# Altium PCB transceiver_board_V2.PcbDoc (part 1 of 2) (continued)
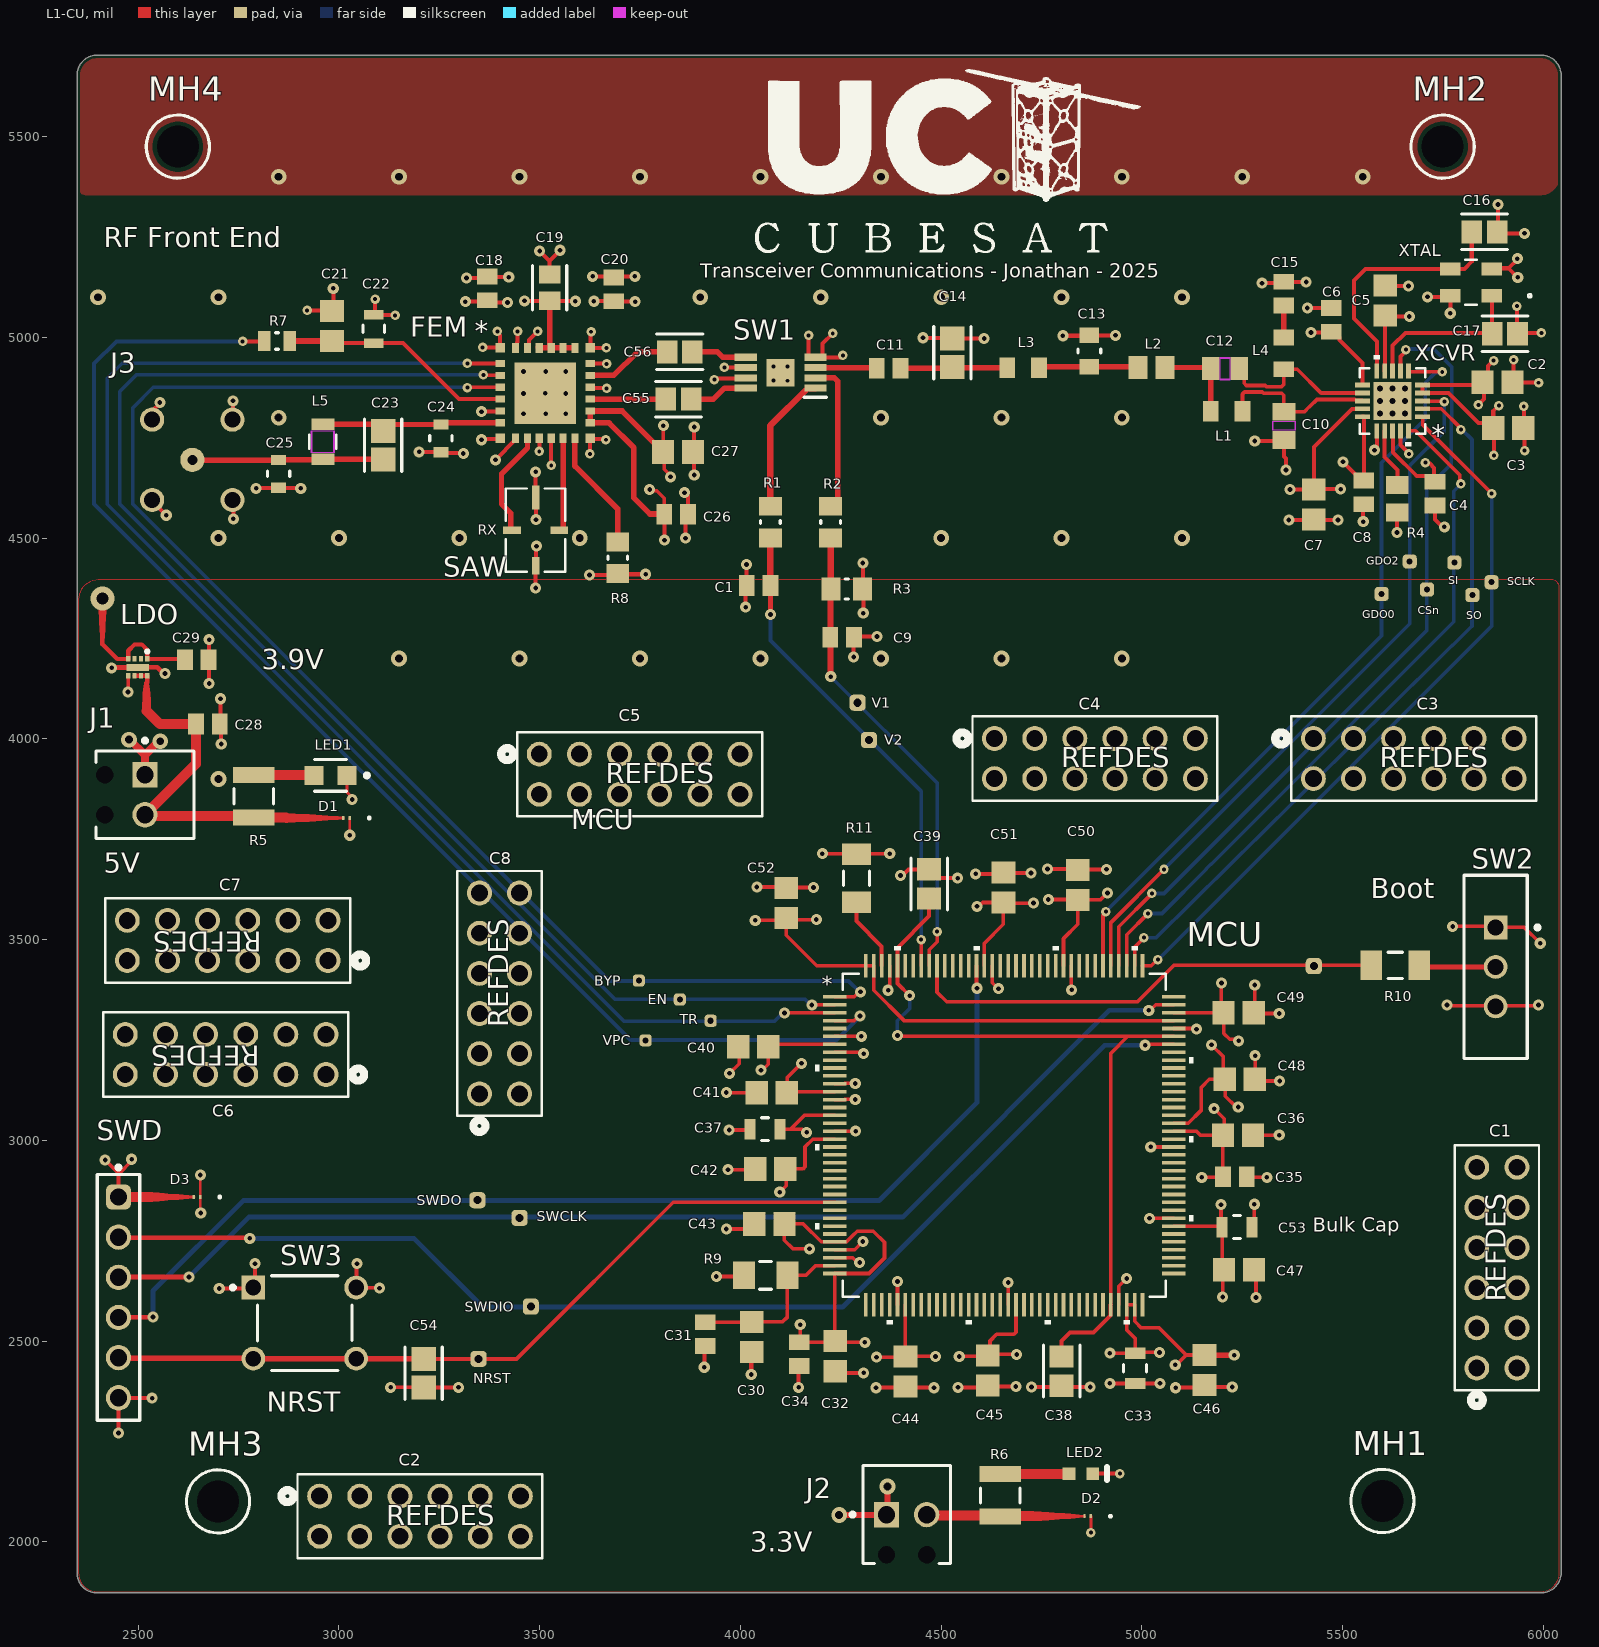
[diagram p0: L1-CU view]
## Components (designator, comment, footprint, x,y, rotation, side; value= is the part's Value field where it differs from the comment)
C1 "10-89-7120" CONN12_0010897120_MOL 5834,2433 r90 top
C1 "GRM2165C1H101JA01D" CAPC2013X70X45LL10T25 4045.16,4382 r180 top value=100pF
C2 "10-89-7120" CONN12_0010897120_MOL 2952,2114 r0 top
C2 "GRM21BR72A104KAC4L" CAPC2013X135X45ML10T25 5886,4888 r180 top value=100nF
C3 "10-89-7120" CONN12_0010897120_MOL 5427,4001 r0 top
C3 "GRM21BR72A104KAC4L" CAPC2013X135X45ML10T25 5912.4,4774 r180 top value=100nF
C4 "10-89-7120" CONN12_0010897120_MOL 4633,4001 r0 top
C4 "GRM2165C1H221JA01D" CAPC2013X70X45LL10T25 5730,4611 r90 top value=220pF
C5 "10-89-7120" CONN12_0010897120_MOL 3499,3962 r0 top
C5 "GRM21BR72A103KA01K" CAPC2013X135X45ML10T25 5606,5092 r270 top value=10nF
C6 "10-89-7120" CONN12_0010897120_MOL 2968,3164 r180 top
C6 "GRM2165C1H221JA01D" CAPC2013X70X45LL10T25 5472,5043.53 r270 top value=220pF
C7 "10-89-7120" CONN12_0010897120_MOL 2973,3448 r180 top
C7 "GRM21BR72A103KA01K" CAPC2013X135X45ML10T25 5428,4584 r90 top value=10nF
C8 "10-89-7120" CONN12_0010897120_MOL 3350,3116 r90 top
C8 "GRM2165C1H221JA01D" CAPC2013X70X45LL10T25 5553,4614 r90 top value=220pF
C9 "GRM2165C1H101JA01D" CAPC2013X70X45LL10T25 4253.16,4253.37 r180 top value=100pF
C10 "CC0805CRNPO9BN3R9" CAP_CC0805_YAG 5354,4779.69 r270 top value=3.9pF
C11 "GRM2165C1H221JA01D" CAPC2013X70X45LL10T25 4369,4923.22 r180 top value=220pF
C12 "CC0805CRNPO9BN3R9" CAP_CC0805_YAG 5207,4922 r180 top value=3.9pF
C13 "KGM21BCG2A8R2DT" FP-0805-L_2_01_0_2-W_1_25-MFG 4869,4966 r90 top value=8.2pF
C14 "C0805C569C5GACTU" FP-C0805C-DN-IPC_A 4528,4961.69 r90 top value=5.6pF
C15 "GRM2165C1H221JA01D" CAPC2013X70X45LL10T25 5353,5109 r270 top value=220pF
C16 "GRM21A5C2E270JW01D" FP-GRM21A-0_2-IPC_B 5853,5263 r0 top value=27pF
C17 "GRM21A5C2E270JW01D" FP-GRM21A-0_2-IPC_B 5904,5009 r0 top value=27pF
C18 "GRM2165C1H221JA01D" CAPC2013X70X45LL10T25 3370,5122 r270 top value=220pF
C19 "GRM2165C2A102JA01D" FP-GRM216-0_1-IPC_B 3525,5124 r270 top value=1nF
C20 "GRM21BR71C105KA01L" CAPC2013X135X45LL10T25 3685,5119.47 r270 top value=1µF
C21 "GRM21BR72A104KAC4L" CAPC2013X135X45ML10T25 2983,5028.6 r270 top value=100nF
C22 "GRM2195C1H472JA01D" FP-GRM219-0_1-MFG 3087,5021.2 r90 top value=4.7nF
C23 "C0805C309C5GACTU" FP-C0805C-DN-IPC_A 3110,4731 r90 top value=3pF
C24 "GQM2195C2E6R8BB12D" FP-GQM219-0_15-MFG 3254,4748.55 r270 top value=6.8pF
C25 "GQM2195C2E6R8BB12D" FP-GQM219-0_15-MFG 2850,4660 r270 top value=6.8pF
C26 "GRM2165C1H221JA01D" CAPC2013X70X45LL10T25 3840,4560 r180 top value=220pF
C27 "GRM21BR72A103KA01K" CAPC2013X135X45ML10T25 3845,4714.69 r180 top value=10nF
C28 "GRM21BR71C105KA01L" CAPC2013X135X45LL10T25 2673.53,4037.08 r180 top value=1µF
C29 "GRM21BR71C105KA01L" CAPC2013X135X45LL10T25 2646,4197 r180 top value=1µF
C30 "GRM21BR72A104KAC4L" CAPC2013X135X45ML10T25 4028,2510.6 r90 top value=100nF
C31 "GRM21BR71C105KA01L" CAPC2013X135X45LL10T25 3913,2517.47 r90 top value=1µF
C32 "GRM21BR72A104KAC4L" CAPC2013X135X45ML10T25 4236,2462.6 r90 top value=100nF
C33 "GRM21BZ7YA475KE15K" FP-GRM21B-0_2-e0_2_0_7-MFG 4983,2432.4 r270 top value=4.7µF
C34 "GRM21BR71C105KA01L" CAPC2013X135X45LL10T25 4147,2467.53 r90 top value=1µF
C35 "GRM21BR71C105KA01L" CAPC2013X135X45LL10T25 5231.47,2909 r180 top value=1µF
C36 "GRM21BR72A104KAC4L" CAPC2013X135X45ML10T25 5239,3013 r180 top value=100nF
C37 "GRM21BZ7YA475KE15K" FP-GRM21B-0_2-e0_2_0_7-MFG 4061,3028 r180 top value=4.7µF
C38 "GRM21BR71E225KE11L" FP-GRM21B-0_15-IPC_A 4800,2425.53 r270 top value=2.2µF
C39 "GRM21BR71E225KE11L" FP-GRM21B-0_15-IPC_A 4470,3638.68 r90 top value=2.2µF
C40 "GRM21BR72A104KAC4L" CAPC2013X135X45ML10T25 4032,3233 r0 top value=100nF
C41 "GRM21BR72A104KAC4L" CAPC2013X135X45ML10T25 4078,3119 r0 top value=100nF
C42 "GRM21BR72A104KAC4L" CAPC2013X135X45ML10T25 4074.4,2929 r0 top value=100nF
C43 "GRM21BR72A104KAC4L" CAPC2013X135X45ML10T25 4072,2792 r0 top value=100nF
C44 "GRM21BR72A104KAC4L" CAPC2013X135X45ML10T25 4411,2424.6 r90 top value=100nF
C45 "GRM21BR72A104KAC4L" CAPC2013X135X45ML10T25 4616,2427.32 r90 top value=100nF
C46 "GRM21BR72A104KAC4L" CAPC2013X135X45ML10T25 5156,2428 r90 top value=100nF
C47 "GRM21BR72A104KAC4L" CAPC2013X135X45ML10T25 5241.4,2678 r180 top value=100nF
C48 "GRM21BR72A104KAC4L" CAPC2013X135X45ML10T25 5243.6,3152 r180 top value=100nF
C49 "GRM21BR72A104KAC4L" CAPC2013X135X45ML10T25 5241,3318 r180 top value=100nF
C50 "GRM21BR72A104KAC4L" CAPC2013X135X45ML10T25 4840,3636.4 r270 top value=100nF
C51 "GRM21BR72A104KAC4L" CAPC2013X135X45ML10T25 4655,3630 r270 top value=100nF
C52 "GRM21BR72A104KAC4L" CAPC2013X135X45ML10T25 4114,3591 r270 top value=100nF
C53 "GRM21BZ7YA475KE15K" FP-GRM21B-0_2-e0_2_0_7-MFG 5237,2784 r0 top value=4.7µF
C54 "C0805C104K5RACTU" FP-C0805C-DN-IPC_A 3211,2420 r90 top value=100nF
C55 "GRM21A5C2E680JW01D" FP-GRM21A-0_2-IPC_B 3846,4846 r180 top value=68pF
C56 "GRM21A5C2E680JW01D" FP-GRM21A-0_2-IPC_B 3849,4964 r180 top value=68pF
D1 "PESD3V3Z1BCSFYL" SOD962-2_DSN0603-2_NEX 3019,3803 r180 top
D2 "PESD3V3Z1BCSFYL" SOD962-2_DSN0603-2_NEX 4865,2064 r180 top
D3 "PESD3V3Z1BCSFYL" SOD962-2_DSN0603-2_NEX 2647,2859 r180 top
FEM "SKY65366-21" SKY65366-21-Footprint-1 3514,4856 r0 top locked
J1 "1725656" PHOE-1725656-2 2517,3861 r270 top
J2 "1725656" PHOE-1725656-2 4414,2068 r0 top
J3 "CONMCX" CONMCX002-Footprint-1 2635,4695 r270 top locked
L1 "7447880127" WE-MK_0805_L2W1.25H0.85 5211,4816 r180 top value=27nH
L2 "AIMC-0805-22NJ-T" INDC2012X105N 5024,4925 r180 top value=22nH
L3 "7447880127" WE-MK_0805_L2W1.25H0.85 4704,4924.22 r180 top value=27nH
L4 "7447880127" WE-MK_0805_L2W1.25H0.85 5353,4960 r270 top value=27nH
L5 "AIMC-0805-12NJ-T" AIMC-0805_ABR 2960,4740 r90 top value=12nH
LDO "NCP186AMX390TAG" NCP186AMX330TAG 2499.13,4188.17 r180 top locked
LED1 "LTST-C170KFKT" FP-LTST-C170KFKT-MFG 2979,3909 r180 top
LED2 "LTST-C190KRKT" LTST-C191KRKT_V 4848,2170 r0 top
MCU "STM32H745ZIT3" LQFP-144 4657,3013 r0 top locked
MH1 "MPMS0020012PH" BF-MPMS0020012PH 5599,2102 r0 top
MH2 "MPMS0020012PH" BF-MPMS0020012PH 5749,5475 r0 top
MH3 "MPMS0020012PH" BF-MPMS0020012PH 2699,2101 r0 top
MH4 "MPMS0020012PH" BF-MPMS0020012PH 2599,5475 r0 top
R1 "Resistor 0R +/- 5% 0805 125 mW" RESC2013X60X35ML10T20 4074.68,4540 r90 top value=0
R2 "Resistor 0R +/- 5% 0805 125 mW" RESC2013X60X35ML10T20 4224.69,4540 r90 top value=0
R3 "Resistor 0R +/- 5% 0805 125 mW" RESC2013X60X35ML10T20 4264.69,4373.37 r180 top value=0
R4 "ERJ-6GEYJ563V" RESC2013X70X40NL20T20 5636,4598 r270 top value=56k
R5 "CRCW1210150RJNEA" FP-CRCW1210-e3-IPC_C 2788,3857.18 r270 top value=150
R6 "CRCW1210150RJNEA" FP-CRCW1210-e3-IPC_C 4647,2116 r270 top value=150
R7 "RC0805FR-0710KL" RESC2013X60X35LL10T20 2846,4991 r0 top value=10k
R8 "Resistor 0R +/- 5% 0805 125 mW" RESC2013X60X35ML10T20 3694.61,4451.06 r90 top value=0
R9 "RMCF1206JT47R0" FP-RMCF1206-IPC_B 4063,2664 r0 top value=47
R10 "Resistor 10k +/-1% 1206 250 mW" RESC3216X60X45ML15T20 5630.96,3436 r0 top value=10k
R11 "Resistor 10k +/-1% 1206 250 mW" RESC3216X60X45ML15T20 4289,3653 r90 top value=10k
SAW "B39431R0820H210" B39431R0820H210_QUA 3490,4520 r0 top
SW1 "PE4251MLI-Z" SOP65P490X106-9N 4100,4912 r180 top locked
SW2 "EG1218" ESWI-EG1218_V 5881,3432 r270 top locked
SW3 "1825910-6 Tact Switch" TECO-1825910-6_V 2915,2545 r0 top locked
SWD "61300611121" 61300611121 2451,2609 r270 top
XCVR "CC1101RGP" CC1101RGP-Footprint-1 5624.28,4841.72 r180 top locked
XTAL "NX3225GA-26MHZ-TI" NX3225GA_NDK 5820,5137 r180 top locked

## Footprints (in the part's own frame and the unit in brackets; to place one, negate y for a bottom-side part, rotate by r counter-clockwise, add the part's x,y. Pads: shape width x height; smd on the part's side, far side on the other; paste and mask are expansions set on the pad)
61300611121 [mm] "Pin Header, pitch 2.54 mm, THT, Vertical, single row, 6p"
  rrect50% 1.6x1.6 hole 1.1: 1(-6.35,0)
  round 1.6 hole 1.1: 2(-3.81,0) 3(-1.27,0) 4(1.27,0) 5(3.81,0) 6(6.35,0)
  silkscreen extent -8.34,-1.35 7.77,1.35, body extent -7.62,-1.27 7.62,1.27, height 8.57
AIMC-0805_ABR [mil]
  rect 28x57 smd paste+0 mask+0: 1(-43.5,0) 2(43.5,0)
  L1-CU keep-out region: -27.5,-26.5 -27.5,26.5 27.5,26.5 27.5,-26.5
  Keep-Out Layer region: -27.5,-28.5 -27.5,28.5 27.5,28.5 27.5,-28.5
  silkscreen extent -17,-34 17,34, body extent -44,-29 44,29, height 45
B39431R0820H210_QUA [mil]
  rect 44x19 smd paste+0 mask+0: 1(-59,0) 3(59,0)
  rect 19x44 smd paste+0 mask+0: 2(0,-88.5)
  rect 19x59 smd paste+0 mask+0: 4(0,81)
  silkscreen extent -74,-104 74,104
BF-MPMS0020012PH [mm] "Copper Pillar 9mm, M2 Screw"
  round 1 hole 2.65 unplated: 1(0,0)
  silkscreen extent -2,-2 2,2, body extent -1.85,-1.85 1.85,1.85, height 11.99
CAP_CC0805_YAG [mil]
  rect 44x57 smd paste+0 mask+0: 1(-35.31,0) 2(35.31,0)
  L1-CU keep-out region: -11.31,-26.5 -11.31,26.5 11.31,26.5 11.31,-26.5
  Keep-Out Layer region: -11.31,-28.5 -11.31,28.5 11.31,28.5 11.31,-28.5
  body extent -70,-42 70,42, height 57
CAPC2013X70X45LL10T25 [mm] "Chip Capacitor, 2-Leads, Body 2.00x1.25mm, IPC High Density"
  rect 1x1.3 smd: 1(-0.75,0) 2(0.75,0)
  body extent -1.05,-0.67 1.05,0.68, height 0.7
CAPC2013X135X45LL10T25 [mm] "Chip Capacitor, 2-Leads, Body 2.00x1.25mm, IPC High Density"
  rect 1x1.3 smd: 1(-0.75,0) 2(0.75,0)
  body extent -1.05,-0.67 1.05,0.68, height 1.35
CAPC2013X135X45ML10T25 [mm] "Chip Capacitor, 2-Leads, Body 2.00x1.25mm, IPC Low Density"
  rect 1.4x1.5 smd: 1(-0.95,0) 2(0.95,0)
  body extent -1.05,-0.67 1.05,0.67, height 1.35
CC1101RGP-Footprint-1 [mil]
  rect 37.5x12 smd paste-18.75 mask-19: 1(-74.75,39.37) 2(-74.75,19.69) 3(-74.75,0) 4(-74.75,-19.68) 5(-74.75,-39.37) 11(74.75,-39.37) 12(74.75,-19.68) 13(74.75,0) 14(74.75,19.69) 15(74.75,39.37)
  rect 12x37.5 smd paste-18.75 mask-19: 6(-39.37,-74.75) 7(-19.69,-74.75) 8(0,-74.75) 9(19.68,-74.75) 10(39.37,-74.75) 16(39.37,74.75) 17(19.68,74.75) 18(0,74.75) 19(-19.69,74.75) 20(-39.37,74.75)
  rect 95x95 smd paste-47 mask-47: 21(0,0)
  round 30 hole 15 paste-99999 mask-10: V(-31,31) V(-31,0) V(-31,-31) V(0,31) V(0,0) V(0,-31) V(31,31) V(31,0) V(31,-31)
  silkscreen extent -82,-114 82,114, body extent -81,-81 81,81, height 39
CONMCX002-Footprint-1 [mil]
  round 60 hole 25 paste-99999 mask+10: 1(0,0)
  round 60 hole 40 paste-99999 mask+10: 2(-100,100) 3(100,100) 4(100,-100) 5(-100,-100)
  body extent -118,-250 118,120, height 218
CONN12_0010897120_MOL [mil]
  round 62 / inner round 60 / far side round 62 hole 42 paste-99999 mask+0: 1(0,0) 2(0,-100) 3(100,0) 4(100,-100) 5(200,0) 6(200,-100) 7(300,0) 8(300,-100) 9(400,0) 10(400,-100) 11(500,0) 12(500,-100)
  silkscreen extent -95,-155 555,55
ESWI-EG1218_V [mm] "THD, 3-Leads, Body 11.6x4mm, Pitch 2.5mm"
  rect 1.5x1.5 hole 1: 1(-2.5,0)
  round 1.5 hole 1: 2(0,0) 3(2.5,0)
  silkscreen extent -5.8,-2 5.8,2.78, body extent -5.8,-2 5.8,2, height 7.4
FP-0805-L_2_01_0_2-W_1_25-MFG [mm]
  rect 1x1.25 smd paste+0 mask+0: 1(-1,0) 2(1,0)
  silkscreen extent -0.13,-0.72 0.13,0.72, body extent -1.6,-0.82 1.6,0.82, height 0.25
FP-C0805C-DN-IPC_A [mil]
  rect 59.24x61.27 smd paste+0 mask+0: 1(-35.46,0) 2(35.46,0)
  silkscreen extent -65,-46 65,46, body extent -85,-50 85,50, height 10
FP-CRCW1210-e3-IPC_C [mil]
  rect 39.56x102.61 smd paste+0 mask+0: 1(-53.18,0) 2(53.18,0)
  silkscreen extent -19,-49 19,49, body extent -77,-57 77,57, height 10
FP-GQM219-0_15-MFG [mm]
  rect 0.65x0.95 smd paste+0 mask+0: 1(-0.875,0) 2(0.875,0)
  silkscreen extent -0.18,-0.7 0.18,0.7, body extent -1.3,-0.8 1.3,0.8, height 0.25
FP-GRM21A-0_2-IPC_B [mil]
  rect 51.37x57.33 smd paste+0 mask+0: 1(-31.52,0) 2(31.52,0)
  silkscreen extent -57,-44 57,44, body extent -67,-39 67,39, height 10
FP-GRM21B-0_2-e0_2_0_7-MFG [mm]
  rect 0.7x1.3 smd paste+0 mask+0: 1(-0.95,0) 2(0.95,0)
  silkscreen extent -0.23,-0.72 0.23,0.72, body extent -1.4,-0.82 1.4,0.82, height 0.25
FP-GRM21B-0_15-IPC_A [mil]
  rect 55.34x59.38 smd paste+0 mask+0: 1(-36.47,0) 2(36.47,0)
  silkscreen extent -64,-45 64,45, body extent -84,-49 84,49, height 10
FP-GRM216-0_1-IPC_B [mil]
  rect 45.58x53.57 smd paste+0 mask+0: 1(-32.57,0) 2(32.57,0)
  silkscreen extent -55,-43 55,43, body extent -65,-37 65,37, height 10
FP-GRM219-0_1-MFG [mm]
  rect 0.6x1.25 smd paste+0 mask+0: 1(-0.9,0) 2(0.9,0)
  silkscreen extent -0.23,-0.67 0.23,0.67, body extent -1.3,-0.77 1.3,0.77, height 0.25
FP-LTST-C170KFKT-MFG [mm]
  rect 1.2x1.2 smd paste+0 mask+0: 1(-1.05,0) 2(1.05,0)
  silkscreen extent -2.43,-1 1,1, body extent -1.75,-0.77 1.75,0.77, height 0.25
FP-RMCF1206-IPC_B [mil]
  rect 55.27x69.22 smd paste+0 mask+0: 1(-54.16,0) 2(54.16,0)
  silkscreen extent -15,-35 15,35, body extent -92,-44 92,44, height 10
INDC2012X105N [mm]
  rect 1.2x1.47 smd: 1(-0.86,0) 2(0.86,0)
  body extent -1,-0.63 1,0.63, height 0.43
LQFP-144 [mil]
  rect 58x9 smd paste+0 mask+0: 1(-422,344.49) 2(-422,324.8) 3(-422,305.12) 4(-422,285.43) 5(-422,265.75) 6(-422,246.06) 7(-422,226.38) 8(-422,206.69) 9(-422,187.01) 10(-422,167.32) 11(-422,147.64) 12(-422,127.95) 13(-422,108.27) 14(-422,88.58) 15(-422,68.9) 16(-422,49.21) 17(-422,29.53) 18(-422,9.84) 19(-422,-9.84) 20(-422,-29.53) 21(-422,-49.21) 22(-422,-68.9) 23(-422,-88.58) 24(-422,-108.27) 25(-422,-127.95) 26(-422,-147.64) 27(-422,-167.32) 28(-422,-187.01) 29(-422,-206.69) 30(-422,-226.38) 31(-422,-246.06) 32(-422,-265.75) 33(-422,-285.43) 34(-422,-305.12) 35(-422,-324.8) 36(-422,-344.49) 73(422,-344.49) 74(422,-324.8) 75(422,-305.12) 76(422,-285.43) 77(422,-265.75) 78(422,-246.06) 79(422,-226.38) 80(422,-206.69) 81(422,-187.01) 82(422,-167.32) 83(422,-147.64) 84(422,-127.95) 85(422,-108.27) 86(422,-88.58) 87(422,-68.9) 88(422,-49.21) 89(422,-29.53) 90(422,-9.84) 91(422,9.84) 92(422,29.53) 93(422,49.21) 94(422,68.9) 95(422,88.58) 96(422,108.27) 97(422,127.95) 98(422,147.64) 99(422,167.32) 100(422,187.01) 101(422,206.69) 102(422,226.38) 103(422,246.06) 104(422,265.75) 105(422,285.43) 106(422,305.12) 107(422,324.8) 108(422,344.49)
  rect 9x58 smd paste+0 mask+0: 37(-344.49,-422) 38(-324.8,-422) 39(-305.12,-422) 40(-285.43,-422) 41(-265.75,-422) 42(-246.06,-422) 43(-226.38,-422) 44(-206.69,-422) 45(-187.01,-422) 46(-167.32,-422) 47(-147.64,-422) 48(-127.95,-422) 49(-108.27,-422) 50(-88.58,-422) 51(-68.9,-422) 52(-49.21,-422) 53(-29.53,-422) 54(-9.84,-422) 55(9.84,-422) 56(29.53,-422) 57(49.21,-422) 58(68.9,-422) 59(88.58,-422) 60(108.27,-422) 61(127.95,-422) 62(147.64,-422) 63(167.32,-422) 64(187.01,-422) 65(206.69,-422) 66(226.38,-422) 67(246.06,-422) 68(265.75,-422) 69(285.43,-422) 70(305.12,-422) 71(324.8,-422) 72(344.49,-422) 109(344.49,422) 110(324.8,422) 111(305.12,422) 112(285.43,422) 113(265.75,422) 114(246.06,422) 115(226.38,422) 116(206.69,422) 117(187.01,422) 118(167.32,422) 119(147.64,422) 120(127.95,422) 121(108.27,422) 122(88.58,422) 123(68.9,422) 124(49.21,422) 125(29.53,422) 126(9.84,422) 127(-9.84,422) 128(-29.53,422) 129(-49.21,422) 130(-68.9,422) 131(-88.58,422) 132(-108.27,422) 133(-127.95,422) 134(-147.64,422) 135(-167.32,422) 136(-187.01,422) 137(-206.69,422) 138(-226.38,422) 139(-246.06,422) 141(-285.43,422) 142(-305.12,422) 143(-324.8,422) 144(-344.49,422)
  rect 9x58 smd paste+0 mask+4: 140(-265.75,422)
  silkscreen extent -471,-471 471,471, body extent -437,-437 437,437, height 63
LTST-C191KRKT_V [mm] "SMD, 2-Leads, Body 1.6x0.8mm"
  rect 0.8x0.8 smd: 1(-0.75,0) 2(0.75,0)
  silkscreen extent 1.65,-0.4 1.65,0.4, body extent -0.8,-0.4 0.8,0.4, height 0.9
NCP186AMX330TAG [mm]
  rect 0.26x0.35 smd: 1(-0.6,-0.275) 2(-0.2,-0.275) 3(0.2,-0.275) 4(0.6,-0.275) 5(0.6,0.775) 6(0.2,0.775) 7(-0.2,0.775) 8(-0.6,0.775)
  rect 1.44x0.44 smd: 9(0,0.25)
  silkscreen extent -0.7,-0.85 -0.5,-0.65
NX3225GA_NDK [mil]
  rect 51x33 smd paste+0 mask+0: 1(-51.5,33.46) 2(-51.5,-33.46) 3(51.5,-33.46) 4(51.5,33.46)
  silkscreen extent -150,-56 14,56, body extent -65,-51 65,51, height 35
PHOE-1725656-2 [mm] "Connector, 2-Leads, Body 6.2x5.4mm, Pitch 2.54mm"
  rect 1.6x1.6 hole 1.1: 1(-1.27,0)
  round 1.6 hole 1.1: 2(1.27,0)
  round 0 hole 1.1 unplated: MH1(-1.27,-2.54) MH2(1.27,-2.54)
  silkscreen extent -3.54,-3.1 2.77,3.1, body extent -2.77,-3.1 2.77,3.1, height 9
RESC2013X60X35LL10T20 [mm] "Chip Resistor, 2-Leads, Body 2.1x1.35mm, IPC High Density"
  rect 0.8x1.25 smd: 1(-0.8,0) 2(0.8,0)
  silkscreen extent -0.1,-0.53 0.1,0.53, body extent -1.05,-0.67 1.05,0.68, height 0.6
RESC2013X60X35ML10T20 [mm] "Chip Resistor, 2-Leads, Body 2.1x1.35mm, IPC Low Density"
  rect 1.2x1.45 smd: 1(-1,0) 2(1,0)
  silkscreen extent -0.1,-0.63 0.1,0.63, body extent -1.05,-0.68 1.05,0.67, height 0.6
RESC2013X70X40NL20T20 [mm] "Chip Resistor, 2-Leads, Body 2.00x1.25mm, IPC Medium Density"
  rect 1.15x1.45 smd: 1(-0.875,0) 2(0.875,0)
  body extent -1.1,-0.72 1.1,0.72, height 0.7
RESC3216X60X45ML15T20 [mm] "Chip Resistor, 2-Leads, Body 3.3x1.75mm, IPC Low Density"
  rect 1.35x1.85 smd: 1(-1.525,0) 2(1.525,0)
  silkscreen extent -0.45,-0.82 0.45,0.82, body extent -1.65,-0.87 1.65,0.87, height 0.6
SKY65366-21-Footprint-1 [mil]
  rect 24x24 smd paste-12 mask-12: 1(-112.02,117.68) 8(-112.02,-107.64) 15(112.02,-107.64) 22(112.02,117.68)
  rect 24x18 smd paste-12 mask-12: 2(-112.02,78.82) 3(-112.02,49.29) 4(-112.02,19.76) 5(-112.02,-9.76) 6(-112.02,-39.29) 7(-112.02,-68.82) 16(112.02,-68.82) 17(112.02,-39.29) 18(112.02,-9.76) 19(112.02,19.76) 20(112.02,49.29) 21(112.02,78.82)
  rect 18x24 smd paste-12 mask-12: 9(-73.82,-107.68) 10(-44.29,-107.68) 11(-14.76,-107.68) 12(14.76,-107.68) 13(44.29,-107.68) 14(73.82,-107.68) 23(73.82,117.68) 24(44.29,117.68) 25(14.76,117.68) 26(-14.76,117.68) 27(-44.29,117.68) 28(-73.82,117.68)
  rect 153x153 smd paste-76 mask+0: 29(0,5)
SOD962-2_DSN0603-2_NEX [mil]
  rect 6x10 smd paste+0 mask+0: 1(-8,0) 2(8,0)
  silkscreen extent -60,-3 -54,3, body extent -13,-6 13,6, height 13
SOP65P490X106-9N [mm]
  rect 1.4x0.45 smd: 1(-2.2,0.975) 2(-2.2,0.325) 3(-2.2,-0.325) 4(-2.2,-0.975) 5(2.2,-0.975) 6(2.2,-0.325) 7(2.2,0.325) 8(2.2,0.975)
  rect 1.75x1.75 smd: 9(0,0)
  silkscreen extent -2.9,1.55 -1.5,1.55, body extent -2.45,-1.5 2.45,1.5, height 1.06
TECO-1825910-6_V [mm] "Switch, 4-Leads, Body 5.99x5.99mm"
  rect 1.5x1.5 hole 0.99: 1(-3.25,2.25)
  round 1.5 hole 0.99: 2(3.25,2.25) 3(-3.25,-2.25) 4(3.25,-2.25)
  silkscreen extent -4.67,-2.99 2.99,3, body extent -3,-2.99 2.99,3, height 5
WE-MK_0805_L2W1.25H0.85 [mm] "Multilayer Ceramic SMT Inductor, body 2.00x1.25mm"
  rect 1x1.3 smd: 1(-1,0) 2(1,0)
  body extent -1,-0.62 1,0.63, height 0.85

## Part data
C1 C2 C3 C4 C5 C6 C7 C8: library part CMP-002-00074-1, "Board Connector, 12 Contact(s), 2 Row(s), Male, Straight, 0.1 inch Pitch, Solder Terminal, Locking, Black Insulator, Receptacle", Min Operating Temperature=-40蚓, Max Operating Temperature=120蚓, Rated Current (Signal)=3A, Manufacturer Series=70280, Dielectric Withstanding Voltage (AC)=600V, Flammability Rating="UL94 V-0", Insulation Color=Black, Insulation Resistance=1GR, Number of Contacts=12, Number Of Connectors=1, Mounting Technology=Board, Mounting Style=STRAIGHT, Mounting Option 1=LOCKING, MIL Conformance=No, Number Of PCB Rows=2, Mating Information="MULTIPLE MATING PARTS AVAILABLE", Mixed Contacts=No, Number of Rows Loaded=2, Contact Pattern=RECTANGULAR, PCB Contact Pattern=RECTANGULAR, PCB Contact Row Spacing=2.54mm, Plating Thickness=30uin, Reach SVHC Compliant=Yes, Reference Standard=UL, Reliability=COMMERCIAL, RoHS Compliant=Yes, Terminal Length=0.107inch, Mating Contact Row Spacing=0.1inch, Terminal Pitch=2.54mm, Option="General Purpose", Mating Contact Pitch=0.1inch, JESD-609 Code=e3, Body Breadth=0.2inch, Body Depth=0.09inch, Body Length=0.6inch, Body/Shell Style=RECEPTACLE, Connector Type="BOARD CONNECTOR", Contact Finish - Mating="GOLD (30) OVER NICKEL", Contact Finish - Termination="TIN (75) OVER NICKEL", Contact Gender=Male, Termination=Solder, Contact Material=Bronze, DIN Conformance=No, Durability=50Cycles, Filter Feature=No, IEC Conformance=No, Insulation Material=Polymer, Contact Style="SQ PIN-SKT"
C1 C9: library part CMP-001-00139-1, "Ceramic Capacitor, Multilayer, Ceramic, 50V, 5% +Tol, 5% -Tol, C0G, -/+30ppm/Cel TC, 0.0001uF, Surface Mount, 0805", Capacitor Type=Ceramic, Case/Package=0805, Max Operating Temperature=125°C, Min Operating Temperature=-55°C, Package Shape=Rectangular, Package Style=SMTMeter, Rated DC Voltage (URdc)=50V, Temperature Characteristics Code=C0G, Tolerance  (fill in as +-)=5%, Dielectric Material=Ceramic, Height=0.6mm, JESD-609 Code=e3, Length=2mm, Mounting Technology="Surface Mount", Multilayer=Yes, Packaging="Tape and Reel", Pins=2, Reach SVHC Compliant=Yes, RoHS Compliant=Yes, Terminal Finish=Nickel, Termination=Wraparound, Tolerance (fill in as +-)=5%, Width=1.25mm
C2 C3 C21 C30 C32 C36 C40 C41 C42 C43 C44 C45 C46 C47 C48 C49 C50 C51 C52: library part CMP-001-00124-1, "Ceramic Capacitor, Multilayer, Ceramic, 100V, 10% +Tol, 10% -Tol, X7R, 15% TC, 0.1uF, Surface Mount, 0805", Capacitor Type=Ceramic, Case/Package=0805, Max Operating Temperature=125°C, Min Operating Temperature=-55°C, Package Shape=Rectangular, Package Style=SMTMeter, Rated DC Voltage (URdc)=100V, Temperature Characteristics Code=X7R, Tolerance  (fill in as +-)=10%, Dielectric Material=Ceramic, Height=1.25mm, JESD-609 Code=e3, Length=2mm, Mounting Technology="Surface Mount", Multilayer=Yes, Packaging="Tape and Reel", Pins=2, Reach SVHC Compliant=Yes, RoHS Compliant=Yes, Terminal Finish=Nickel, Termination=Wraparound, Tolerance (fill in as +-)=10%, Width=1.25mm
C4 C6 C8 C11 C15 C18 C26: library part CMP-001-00130-1, "Ceramic Capacitor, Multilayer, Ceramic, 50V, 5% +Tol, 5% -Tol, C0G, -/+30ppm/Cel TC, 0.00022uF, Surface Mount, 0805", Capacitor Type=Ceramic, Case/Package=0805, Max Operating Temperature=125°C, Min Operating Temperature=-55°C, Package Shape=Rectangular, Package Style=SMTMeter, Rated DC Voltage (URdc)=50V, Temperature Characteristics Code=C0G, Tolerance  (fill in as +-)=5%, Dielectric Material=Ceramic, Height=0.6mm, JESD-609 Code=e3, Length=2mm, Mounting Technology="Surface Mount", Multilayer=Yes, Packaging="Tape and Reel", Pins=2, Reach SVHC Compliant=Yes, RoHS Compliant=Yes, Terminal Finish=Nickel, Termination=Wraparound, Tolerance (fill in as +-)=5%, Width=1.25mm
  C4 C6 C8: ComponentLink1Description="New link"
C5 C7 C27: library part CMP-001-00132-1, "Ceramic Capacitor, Multilayer, Ceramic, 100V, 10% +Tol, 10% -Tol, X7R, 15% TC, 0.01uF, Surface Mount, 0805", Capacitor Type=Ceramic, Case/Package=0805, Max Operating Temperature=125°C, Min Operating Temperature=-55°C, Package Shape=Rectangular, Package Style=SMTMeter, Rated DC Voltage (URdc)=100V, Temperature Characteristics Code=X7R, Tolerance  (fill in as +-)=10%, Dielectric Material=Ceramic, Height=1.25mm, JESD-609 Code=e3, Length=2mm, Mounting Technology="Surface Mount", Multilayer=Yes, Packaging="Tape and Reel", Pins=2, Reach SVHC Compliant=Yes, RoHS Compliant=Yes, Terminal Finish=Nickel, Termination=Wraparound, Tolerance (fill in as +-)=10%, Width=1.25mm
  C5 C7: ComponentLink1Description="New link"
C10 C12: library part CMP-001-00101-5, "3.9 pF ±0.25pF 50V Ceramic Capacitor C0G, NP0 0805 (2012 Metric)", Capacitor Type=Ceramic, Case/Package=0805, Max Operating Temperature=125°C, Mfr_Name=Yageo, Min Operating Temperature=-55°C, Component Type=Standard, Design Item ID=CC0805CRNPO9BN3R9, Mounting Technology="Surface Mount", Pins=2, RoHS Compliant=Yes, Source=CC0805CRNPO9BN3R9.SchLib
C13: library part CMP-001-00135-2, "Cap Cer 8.2PF 100V C0G/NP0 0805", Capacitor Type=Ceramic, Case/Package=0805, Max Operating Temperature=125°C, Min Operating Temperature=-55°C, Package Shape=Rectangular, Package Style=SMTMeter, Rated DC Voltage (URdc)=100V, Temperature Characteristics Code=C0G, Tolerance  (fill in as +-)=6.0976%, Dielectric Material=Ceramic, Height=0.94mm, JESD-609 Code=e3, Length=2.01mm, Mounting Technology="Surface Mount", Multilayer=Yes, Packaging="Tape and Reel", Pins=2, Reach SVHC Compliant=Yes, RoHS Compliant=Yes, Terminal Finish=Nickel, Termination=Wraparound, Tolerance (fill in as +-)=6.0976%, Width=1.25mm
C14: library part CMP-001-00134-1, "Ceramic Capacitor, Multilayer, Ceramic, 50V, 4.46% +Tol, 4.46% -Tol, C0G, 30ppm/Cel TC, 0.0000056uF, Surface Mount, 0805", Capacitor Type=Ceramic, Case/Package=0805, Max Operating Temperature=125°C, Min Operating Temperature=-55°C, Package Shape=Rectangular, Package Style=SMTMeter, Rated DC Voltage (URdc)=50V, Temperature Characteristics Code=C0G, Tolerance  (fill in as +-)=4.4643%, Dielectric Material=Ceramic, Height=0.78mm, JESD-609 Code=e3, Length=2mm, Mounting Technology="Surface Mount", Multilayer=Yes, Packaging="Tape and Reel", Pins=2, Reach SVHC Compliant=Yes, RoHS Compliant=Yes, Terminal Finish=Nickel, Termination=Wraparound, Tolerance (fill in as +-)=4.4643%, Width=1.25mm
C16 C17: library part CMP-001-00133-1, "Ceramic Capacitor, Multilayer, Ceramic, 250V, 5% +Tol, 5% -Tol, C0G, 30ppm/Cel TC, 0.000027uF, Surface Mount, 0805", Capacitor Type=Ceramic, Case/Package=0805, Max Operating Temperature=125°C, Min Operating Temperature=-55°C, Package Shape=Rectangular, Package Style=SMTMeter, Rated DC Voltage (URdc)=250V, Temperature Characteristics Code=C0G, Tolerance  (fill in as +-)=5%, Dielectric Material=Ceramic, Height=1mm, JESD-609 Code=e3, Length=2mm, Mounting Technology="Surface Mount", Multilayer=Yes, Packaging="Tape and Reel", Pins=2, Reach SVHC Compliant=Yes, RoHS Compliant=Yes, Terminal Finish=Nickel, Termination=Wraparound, Tolerance (fill in as +-)=5%, Width=1.25mm
C19: library part CMP-001-00136-1, "Ceramic Capacitor, Multilayer, Ceramic, 100V, 5% +Tol, 5% -Tol, C0G, 30ppm/Cel TC, 0.001uF, Surface Mount, 0805", Capacitor Type=Ceramic, Case/Package=0805, Max Operating Temperature=125°C, Min Operating Temperature=-55°C, Package Shape=Rectangular, Package Style=SMTMeter, Rated DC Voltage (URdc)=100V, Temperature Characteristics Code=C0G, Tolerance  (fill in as +-)=5%, Dielectric Material=Ceramic, Height=0.6mm, JESD-609 Code=e3, Length=2mm, Mounting Technology="Surface Mount", Multilayer=Yes, Packaging="Tape and Reel", Pins=2, Reach SVHC Compliant=Yes, RoHS Compliant=Yes, Terminal Finish=Nickel, Termination=Wraparound, Tolerance (fill in as +-)=5%, Width=1.25mm
C20 C28 C29 C31 C34 C35: library part CMP-001-00129-1, "Ceramic Capacitor, Multilayer, Ceramic, 16V, 10% +Tol, 10% -Tol, X7R, 15% TC, 1uF, Surface Mount, 0805", Capacitor Type=Ceramic, Case/Package=0805, Max Operating Temperature=125°C, Min Operating Temperature=-55°C, Package Shape=Rectangular, Package Style=SMTMeter, Rated DC Voltage (URdc)=16V, Temperature Characteristics Code=X7R, Tolerance  (fill in as +-)=10%, Dielectric Material=Ceramic, Height=1.25mm, JESD-609 Code=e3, Length=2mm, Mounting Technology="Surface Mount", Multilayer=Yes, Packaging="Tape and Reel", Pins=2, Reach SVHC Compliant=Yes, RoHS Compliant=Yes, Terminal Finish=Nickel, Termination=Wraparound, Tolerance (fill in as +-)=10%, Width=1.25mm
C22: library part CMP-001-00138-1, "Ceramic Capacitor, Multilayer, Ceramic, 50V, 5% +Tol, 5% -Tol, C0G, 30ppm/Cel TC, 0.0047uF, Surface Mount, 0805", Capacitor Type=Ceramic, Case/Package=0805, Max Operating Temperature=125°C, Min Operating Temperature=-55°C, Package Shape=Rectangular, Package Style=SMTMeter, Rated DC Voltage (URdc)=50V, Temperature Characteristics Code=C0G, Tolerance  (fill in as +-)=5%, Dielectric Material=Ceramic, Height=0.85mm, JESD-609 Code=e3, Length=2mm, Mounting Technology="Surface Mount", Multilayer=Yes, Packaging="Tape and Reel", Pins=2, Reach SVHC Compliant=Yes, RoHS Compliant=Yes, Terminal Finish=Nickel, Termination=Wraparound, Tolerance (fill in as +-)=5%, Width=1.25mm
C23: library part CMP-001-00142-2, "Ceramic Capacitor, Multilayer, Ceramic, 50V, 8.33% +Tol, 8.33% -Tol, C0G, 30ppm/Cel TC, 0.000003uF, Surface Mount, 0805", Capacitor Type=Ceramic, Case/Package=0805, Max Operating Temperature=125°C, Min Operating Temperature=-55°C, Package Shape=Rectangular, Package Style=SMTMeter, Rated DC Voltage (URdc)=50V, Temperature Characteristics Code=C0G, Tolerance  (fill in as +-)=8.3333%, Dielectric Material=Ceramic, Height=0.78mm, JESD-609 Code=e3, Length=2mm, Mounting Technology="Surface Mount", Multilayer=Yes, Packaging="Tape and Reel", Pins=2, Reach SVHC Compliant=Yes, RoHS Compliant=Yes, Terminal Finish=Nickel, Termination=Wraparound, Tolerance (fill in as +-)=8.3333%, Width=1.25mm
C24 C25: library part CMP-001-00143-1, "Ceramic Capacitor, Multilayer, Ceramic, 250V, 1.47% +Tol, 1.47% -Tol, C0G, -/+30ppm/Cel TC, 0.0000068uF, Surface Mount, 0805", Capacitor Type=Ceramic, Case/Package=0805, Max Operating Temperature=125°C, Min Operating Temperature=-55°C, Package Shape=Rectangular, Rated DC Voltage (URdc)=250V, Temperature Characteristics Code=C0G, Tolerance  (fill in as +-)=1.47%, Dielectric Material=Ceramic, JESD-609 Code=e3, Mounting Technology="Surface Mount", Multilayer=Yes, Packaging="Tape and Reel", Pins=2, Reach SVHC Compliant=Yes, RoHS Compliant=Yes, Terminal Finish=Nickel, Termination=Wraparound, Tolerance (fill in as +-)=1.47%
C33 C37 C53: library part CMP-001-00127-1, "Ceramic Capacitor, Multilayer, Ceramic, 35V, 10% +Tol, 10% -Tol, X7R, 15% TC, 4.7uF, Surface Mount, 0805", Capacitor Type=Ceramic, Case/Package=0805, Max Operating Temperature=125°C, Min Operating Temperature=-55°C, Package Shape=Rectangular, Rated DC Voltage (URdc)=35V, Temperature Characteristics Code=X7R, Tolerance  (fill in as +-)=10%, Dielectric Material=Ceramic, JESD-609 Code=e3, Mounting Technology="Surface Mount", Multilayer=Yes, Packaging="Tape and Reel", Pins=2, Reach SVHC Compliant=Yes, RoHS Compliant=Yes, Terminal Finish=Nickel, Termination=Wraparound, Tolerance (fill in as +-)=10%
C38 C39: library part CMP-001-00131-1, "Ceramic Capacitor, Multilayer, Ceramic, 25V, 10% +Tol, 10% -Tol, X7R, 15% TC, 2.2uF, Surface Mount, 0805", Capacitor Type=Ceramic, Case/Package=0805, Max Operating Temperature=125°C, Min Operating Temperature=-55°C, Package Shape=Rectangular, Package Style=SMTMeter, Rated DC Voltage (URdc)=25V, Temperature Characteristics Code=X7R, Tolerance  (fill in as +-)=10%, Dielectric Material=Ceramic, Height=1.25mm, JESD-609 Code=e3, Length=2mm, Mounting Technology="Surface Mount", Multilayer=Yes, Packaging="Tape and Reel", Pins=2, Reach SVHC Compliant=Yes, RoHS Compliant=Yes, Terminal Finish=Nickel, Termination=Wraparound, Tolerance (fill in as +-)=10%, Width=1.25mm
C54: library part CMP-001-00137-1, "Ceramic Capacitor, Multilayer, Ceramic, 50V, 10% +Tol, 10% -Tol, X7R, 15% TC, 0.1uF, Surface Mount, 0805", Capacitor Type=Ceramic, Case/Package=0805, Max Operating Temperature=125°C, Min Operating Temperature=-55°C, Package Shape=Rectangular, Package Style=SMTMeter, Rated DC Voltage (URdc)=50V, Temperature Characteristics Code=X7R, Tolerance  (fill in as +-)=10%, Dielectric Material=Ceramic, Height=0.78mm, JESD-609 Code=e3, Length=2mm, Mounting Technology="Surface Mount", Multilayer=Yes, Packaging="Tape and Reel", Pins=2, Reach SVHC Compliant=Yes, RoHS Compliant=Yes, Terminal Finish=Nickel, Termination=Wraparound, Tolerance (fill in as +-)=10%, Width=1.25mm
C55 C56: library part CMP-001-00140-1, "Ceramic Capacitor, Multilayer, Ceramic, 250V, 5% +Tol, 5% -Tol, C0G, 30ppm/Cel TC, 0.000068uF, Surface Mount, 0805", Capacitor Type=Ceramic, Case/Package=0805, Max Operating Temperature=125°C, Min Operating Temperature=-55°C, Package Shape=Rectangular, Package Style=SMTMeter, Rated DC Voltage (URdc)=250V, Temperature Characteristics Code=C0G, Tolerance  (fill in as +-)=5%, Dielectric Material=Ceramic, Height=1mm, JESD-609 Code=e3, Length=2mm, Mounting Technology="Surface Mount", Multilayer=Yes, Packaging="Tape and Reel", Pins=2, Reach SVHC Compliant=Yes, RoHS Compliant=Yes, Terminal Finish=Nickel, Termination=Wraparound, Tolerance (fill in as +-)=5%, Width=1.25mm
D1 D2: library part CMP-004-00036-2, "PESD3V3Zxx: 6.8 V 15 A 0.45 pF Bidirectional ESD Protection Diode - DSN0603-2"
D3: library part CMP-004-00036-1, "PESD3V3Zxx: 6.8 V 15 A 0.45 pF Bidirectional ESD Protection Diode - DSN0603-2"
FEM: library part CMP-00025-00009-1, "RF and Baseband Circuit", RoHS Compliant=Yes
J1 J2: library part CMP-2000-05299-1, "Male Header, Pitch 2.54 mm, 1 x 2 Position, Height 9 mm, Tail Length 3.5 mm", Colour=Green, Manufacturer="Phoenix Contact", Content=250pc(s), Datasheet URL=http://datasheet.octopart.com/1725656-Phoenix-Contact-datasheet-5302866.pdf, Datasheet Version=Apr-08, Industrial packaging=Yes, Manufacturer part No.=1725656, Manufacturer URL=http://www.phoenixcontact.com/, Number of Contacts=2, Pitch=2.54mm, System=Connector, Type=MPT0,5/2-2,54
J3: library part CMP-00025-00005-4, "MCX Connector Right Angle Jack (Female), PCB Through-Hole Mount, Gold"
L1 L3 L4: library part CMP-006-00032-1, "Multilayer Inductor, 27Nh, 0.3A, 0805 Rohs Compliant: Yes"
L2: library part CMP-006-00036-2, "General Purpose Inductor, 0.022uH, 5%, 1 Element, Ceramic-Core, SMD, 0805", Case/Package="0805 Abracon", Case/Size Code=0805, DC Resistance (DCR)=500mR, Inductance-Nom (L)=0.022uH, Inductor Application="RF INDUCTOR", Inductor Type="GENERAL PURPOSE INDUCTOR", Manufacturer Series=AIMC-0805, Max Current Rating=300mA, Max Operating Temperature=125°C, Min Operating Temperature=-55°C, Self Resonant Frequency=1.4GHz, Test Frequency=15MHz, Tolerance=5%, Channels=1, Check_prices=https://www.snapeda.com/parts/AIMC-0805-22NJ-T/Abracon/view-part/?ref=eda, Component Type=Standard, Core Material=Ceramic, Design Item ID=AIMC-0805-22NJ-T, MF=Abracon, MP=AIMC-0805-22NJ-T, Pins=2, Quality Factor-Min (at L-nom)=100, Reach SVHC Compliant=Yes, RoHS Compliant=Yes, Shape/Size Description="RECTANGULAR PACKAGE", Shielding=Unshielded, SnapEDA_Link=https://www.snapeda.com/parts/AIMC-0805-22NJ-T/Abracon/view-part/?ref=snap, Source=AIMC-0805-22NJ-T.SchLib, Surface Mount=Yes, Terminal Placement="Dual Ended", Termination=Wraparound
L5: library part CMP-006-00034-1, "General Purpose Inductor, 0.012uH, 5%, 1 Element, Ceramic-Core, SMD, 0805", Case/Size Code=0805, DC Resistance (DCR)=350mR, Inductance-Nom (L)=0.012uH, Inductor Application="RF INDUCTOR", Inductor Type="GENERAL PURPOSE INDUCTOR", Manufacturer Series=AIMC-0805, Max Current Rating=300mA, Max Operating Temperature=125°C, Min Operating Temperature=-55°C, Self Resonant Frequency=1.9GHz, Test Frequency=15MHz, Tolerance=5%, Channels=1, Core Material=Ceramic, Pins=2, Quality Factor-Min (at L-nom)=100, Reach SVHC Compliant=Yes, RoHS Compliant=Yes, Shape/Size Description="RECTANGULAR PACKAGE", Shielding=Unshielded, Surface Mount=Yes, Terminal Placement="Dual Ended", Termination=Wraparound
LDO: library part CMP-031-00016-2, "Fixed Positive LDO Regulator, 3.9V, 0.13V Dropout, CMOS, PDSO8", Case/Package=HVSON, Dropout Voltage1-Max=130mV, Manufacturer_Name=onsemi, Max Supply Voltage=5.5V, Min Input Voltage=4.4V, Mouser Part Number=863-NCP186AMX390TAG, Operating Temperature, TJ-Max=125°C, Operating Temperature, TJ-Min=-40°C, Output Current1-Max=1A, Output Voltage1-Max=3.939V, Output Voltage1-Min=3.822V, Output Voltage1-Nom=3.9V, Package Body Material=Plastic, Package Shape=Rectangular, Package Style="SMALL OUTLINE, HEAT SINK/SLUG, VERY THIN PROFILEMeter", Arrow Part Number=NCP186AMX390TAG, Arrow Price/Stock=https://www.arrow.com/en/products/ncp186amx390tag/on-semiconductor?region=nac, Channels=1, Datasheet Link=https://www.onsemi.com/pub/Collateral/NCP186-D.PDF, Design Item ID=NCP186AMX390TAG, Height - Seated (Max)=0.45mm, JESD-30 Code=R-PDSO-N8, JESD-609 Code=e4, Length=1.6mm, Manufacturer_Part_Number=NCP186AMX390TAG, Moisture Sensitivity Level=1, Mouser Price/Stock=https://www.mouser.co.uk/ProductDetail/onsemi/NCP186AMX390TAG?qs=tCMd4XlZ%2FiBm0g5PCqviEQ%3D%3D, Pins=8, Reach SVHC Compliant=Yes, Regulator Type="FIXED POSITIVE SINGLE OUTPUT LDO REGULATOR", RoHS Compliant=Yes, Source=SamacSys.SchLib, Surface Mount=Yes, Technology=CMOS, Terminal Finish=Nickel, Terminal Form="No Lead", Terminal Pitch=0.4mm, Terminal Position=DUAL, Width=1.2mm
LED1: library part CMP-007-00038-1, "Single Color LED, Orange, Water Clear, 1.4mm", Color=Orange, Forward Current=30mA, Forward Voltage=2.4V, Max Operating Temperature=85°C, Min Operating Temperature=-55°C, Reverse Voltage-Max=5V, Channels=1, Color@wavelength=Orange, JESD-609 Code=e3, Lens Style="WATER CLEAR", Luminous Intensity-Nom=60mcd, Mounting Technology="Surface Mount", Optoelectronic Device Type="SINGLE COLOR LED", Overall Height=1.1mm, Packaging="Tape and Reel", Pins=2, Reach SVHC Compliant=Yes, RoHS Compliant=Yes, Shape=Rectangular, Size=1.4mm, Terminal Finish=Tin, Terminal Pitch=2.1mm, Viewing Angle=130°
LED2: library part CMP-007-00024-2, "LED Uni-Color Red, 62.5 mW, 25 mA, -30 to 85 degC, 2-Pin SMD, RoHS, Tape and Reel", Case/Package=0603, Colour=Red, Forward Current=20mA, Forward Voltage=2V, Manufacturer=Lite-On, Max Operating Temperature=85°C, Min Operating Temperature=-55°C, Package Description="2-Pin Surface Mount Device, Body 1.6 x 0.8 mm", Package Quantity=3000, Package Reference=C191KRKT, Power=75mW, Datasheet URL=http://optoelectronics.liteon.com/upload/download/DS-22-99-0151/S_110_LTST-C190KRKT.pdf, Datasheet Version="Rev. F, 05/2013", Illumination Colour=Red, Lens Style=Diffused, Luminous Intensity=54mcd, Manufacturer URL=http://www.us.liteon.com/, Mounting Technology=SM, Nominal Vf=2V, Packaging=TapeandReel, Pins=2, RoHS Compliant=True, Viewing Angle=130degrees
MCU: library part CMP-058-000001-3, "RISC Microcontroller", Mfr_Name=STMicroelectronics, Design Item ID=STM32H745ZIT3, RefDes=RefDes, RoHS Compliant=Yes, Source=STM32H745ZIT3.SchLib, Type=Type
MH1 MH2 MH3 MH4: library part CMP-00028-00000-3, "Copper Pillar, M2 Screw", Manufacturer="B&F Fastener Supply", Package Description="1-Pin Surface Mount Device, Diameter 3.7 mm", Case/Package=MPMS0020012PH, Datasheet URL=https://datasheet.ciiva.com/1034/metd7985a-1034196.pdf, Datasheet Version=42095, Drive Type=Phillips, Manufacturer URL=http://www.bffastenersupply.com/, Mounting Technology=TH, Package Reference=MPMS0020012PH, Pins=1, RoHS Compliant=False, Screw Head Type=PanHead, Thread Size=M2, Type=MachineScrew
R1 R2 R3 R8: library part CMP-009-00007-5, "Chip Resistor, 0 Ohm, 0.125 W, -55 to 155 degC, 0805 (2012 Metric)", Case/Package=0805, Max Operating Temperature=155°C, Min Operating Temperature=-55°C, Power=125mW, Tolerance=5%, Voltage Rating=50V, Mounting Technology=SM, Pins=2, RoHS Compliant=True
R4: library part CMP-009-00202-1, "Fixed Resistor, Metal Glaze/thick Film, 0.125W, 56000ohm, 150V, 5% +/-Tol, 200ppm/Cel, Surface Mount, 0805", Case/Package=0805, Max Operating Temperature=155°C, Min Operating Temperature=-55°C, Package Height=0.6mm, Package Length=2mm, Package Shape=Rectangular, Package Width=1.25mm, Power=125mW, Rated Temperature=70°C, Resistor Type="FIXED RESISTOR", Temperature Coefficient (ppm/Cel)=200, Tolerance=5%, Working Voltage=150V, Construction=Rectangular, JESD-609 Code=e3, Mounting Technology="Surface Mount", Packaging="Tape and Reel", Pins=2, Reach SVHC Compliant=Yes, Reference Standard=AEC-Q200, RoHS Compliant=Yes, Technology="METAL GLAZE/THICK FILM", Terminal Finish=Nickel, Termination=Wraparound
R5 R6: library part CMP-009-00203-1, "Fixed Resistor, Metal Glaze/thick Film, 0.5W, 150ohm, 200V, 5% +/-Tol, 200ppm/Cel, Surface Mount, 1210", Case/Package=1210, Max Operating Temperature=155°C, Min Operating Temperature=-55°C, Package Height=0.55mm, Package Length=3.2mm, Package Shape=Rectangular, Package Width=2.5mm, Power=500mW, Rated Temperature=70°C, Resistor Type="FIXED RESISTOR", Temperature Coefficient (ppm/Cel)=200, Tolerance=5%, Working Voltage=200V, Additional Feature="RATED AC VOLTAGE (V): 200", Construction=Chip, JESD-609 Code=e3, Mounting Technology="Surface Mount", Packaging="Tape and Reel", Pins=2, Reach SVHC Compliant=Yes, Reference Standard=AEC-Q200, RoHS Compliant=Yes, Technology="METAL GLAZE/THICK FILM", Terminal Finish=Nickel, Termination=Wraparound
R7: library part CMP-009-00200-1, "Fixed Resistor, Metal Glaze/thick Film, 0.125W, 10000ohm, 150V, 1% +/-Tol, 100ppm/Cel, Surface Mount, 0805", Case/Package=0805, Max Operating Temperature=155°C, Min Operating Temperature=-55°C, Package Height=0.5mm, Package Length=2mm, Package Shape=Rectangular, Package Width=1.25mm, Power=125mW, Rated Temperature=70°C, Resistor Type="FIXED RESISTOR", Temperature Coefficient (ppm/Cel)=100, Tolerance=1%, Working Voltage=150V, Additional Feature="LASER TRIMMABLE", Construction=Chip, JESD-609 Code=e3, Mounting Technology="Surface Mount", Packaging="Tape and Reel", Pins=2, Reach SVHC Compliant=Yes, RoHS Compliant=Yes, Technology="METAL GLAZE/THICK FILM", Terminal Finish=Nickel, Termination=Wraparound
R9: library part CMP-009-00201-1, "Fixed Resistor, Metal Glaze/thick Film, 0.25W, 47ohm, 200V, 5% +/-Tol, 200ppm/Cel, Surface Mount, 1206", Case/Package=1206, Max Operating Temperature=155°C, Min Operating Temperature=-55°C, Package Height=0.55mm, Package Length=3.2mm, Package Shape=Rectangular, Package Width=1.6mm, Power=250mW, Rated Temperature=70°C, Resistor Type="FIXED RESISTOR", Temperature Coefficient (ppm/Cel)=200, Tolerance=5%, Working Voltage=200V, Construction=Rectangular, JESD-609 Code=e3, Mounting Technology="Surface Mount", Packaging="Tape and Reel", Pins=2, Reach SVHC Compliant=Yes, Reference Standard=AEC-Q200, RoHS Compliant=Yes, Technology="METAL GLAZE/THICK FILM", Terminal Finish=Nickel, Termination=Wraparound
R10 R11: library part CMP-009-00016-5, "Chip Resistor, 10 KOhm, +/- 1%, 0.25 W, -55 to 155 degC, 1206 (3216 Metric)", Case/Package=1206, Max Operating Temperature=155°C, Min Operating Temperature=-55°C, Power=250mW, Tolerance=1%, Voltage Rating=200V, Mounting Technology=SM, Pins=2, RoHS Compliant=True
SAW: library part CMP-00025-00006-2, "433.92MHz SAW Resonator50 Ohm -40¡ãC ~ 125¡ãC Surface Mount"
SW1: library part CMP-031-00015-2, "SPDT, 10MHz Min, 3000MHz Max, 1 Func, 0.9dB Insertion Loss-Max, CMOS", Manufacturer_Name="Peregrine Semiconductor", Max Operating Temperature=85°C, Min Operating Temperature=-40°C, Mouser Part Number=81-PE4251MLI-Z, Operating Frequency-Max=3GHz, Operating Frequency-Min=10MHz, Package Body Material=Plastic, Package Equivalence Code=TSSOP8,.19, Power Supplies=3.3/5V, 1 dB Compression Point=30.5dBm, Channels=1, Characteristic Impedance=50R, Construction=COMPONENT, Datasheet Link=http://www.psemi.com/pdf/datasheets/pe4251ds.pdf, Design Item ID=PE4251MLI-Z, Height=1.06mm, Insertion Loss-Max=0.9dB, Isolation-Min=42dB, JESD-609 Code=e3, Manufacturer_Part_Number=PE4251MLI-Z, Mounting Technology="Surface Mount", Mouser Price/Stock=https://www.mouser.co.uk/ProductDetail/pSemi/PE4251MLI-Z?qs=iw0hurA%2FaD2z5EU4g7%252BX%2Fg%3D%3D, On Time-Nom=0.15us, Pins=8, Port Termination=ABSORPTIVE, Reach SVHC Compliant=Yes, RF/Microwave Device Type=SPDT, RoHS Compliant=Yes, Source=SamacSys.SchLib, Technology=CMOS, Terminal Finish=Tin
SW2: library part CMP-011-00006-2, "Slide Switch, SPDT, 500 V, -20 to 70 degC, 3-Pin THD, RoHS, Bulk", Contact Current Rating=200mA, Manufacturer=E-Switch, Max Operating Temperature=70°C, Min Operating Temperature=-20°C, Operating Force=250gf, Package Description="3-Pin Through Hole Device, Body 11.6 x 4 mm, Pitch 2.5 mm", Package Quantity=1000, Voltage Rating (AC)=30V, Case/Package=EG1218, Contact Finish=Silver, Contact Material=Copper, Contact Plating=Silver, Current Rating=200mA, Datasheet URL=https://www.e-switch.com/system/asset/product_line/data_sheet/119/EG.pdf, Datasheet Version=Oct-15, Manufacturer URL=http://www.e-switch.ch/en/, Mounting Technology=TH, Package Reference=EG1218, Packaging=Bulk, Pins=3, RoHS Compliant=True, Throw Configuration=SPDT, Voltage Rating (DC)=30V